# Altium PCB NURIP.PcbDoc (part 13 of 14)
Units mil, origin at the board's own origin, x right, y up, seen from the top; angles counter-clockwise.
Board outline 7096.64 x 6702.94 mil, 6 copper layers (L1, L2, L3, L4, L5, L6), stack 48.469 mil thick; 305 components, 426 nets, 2172 pads, 1040 vias.
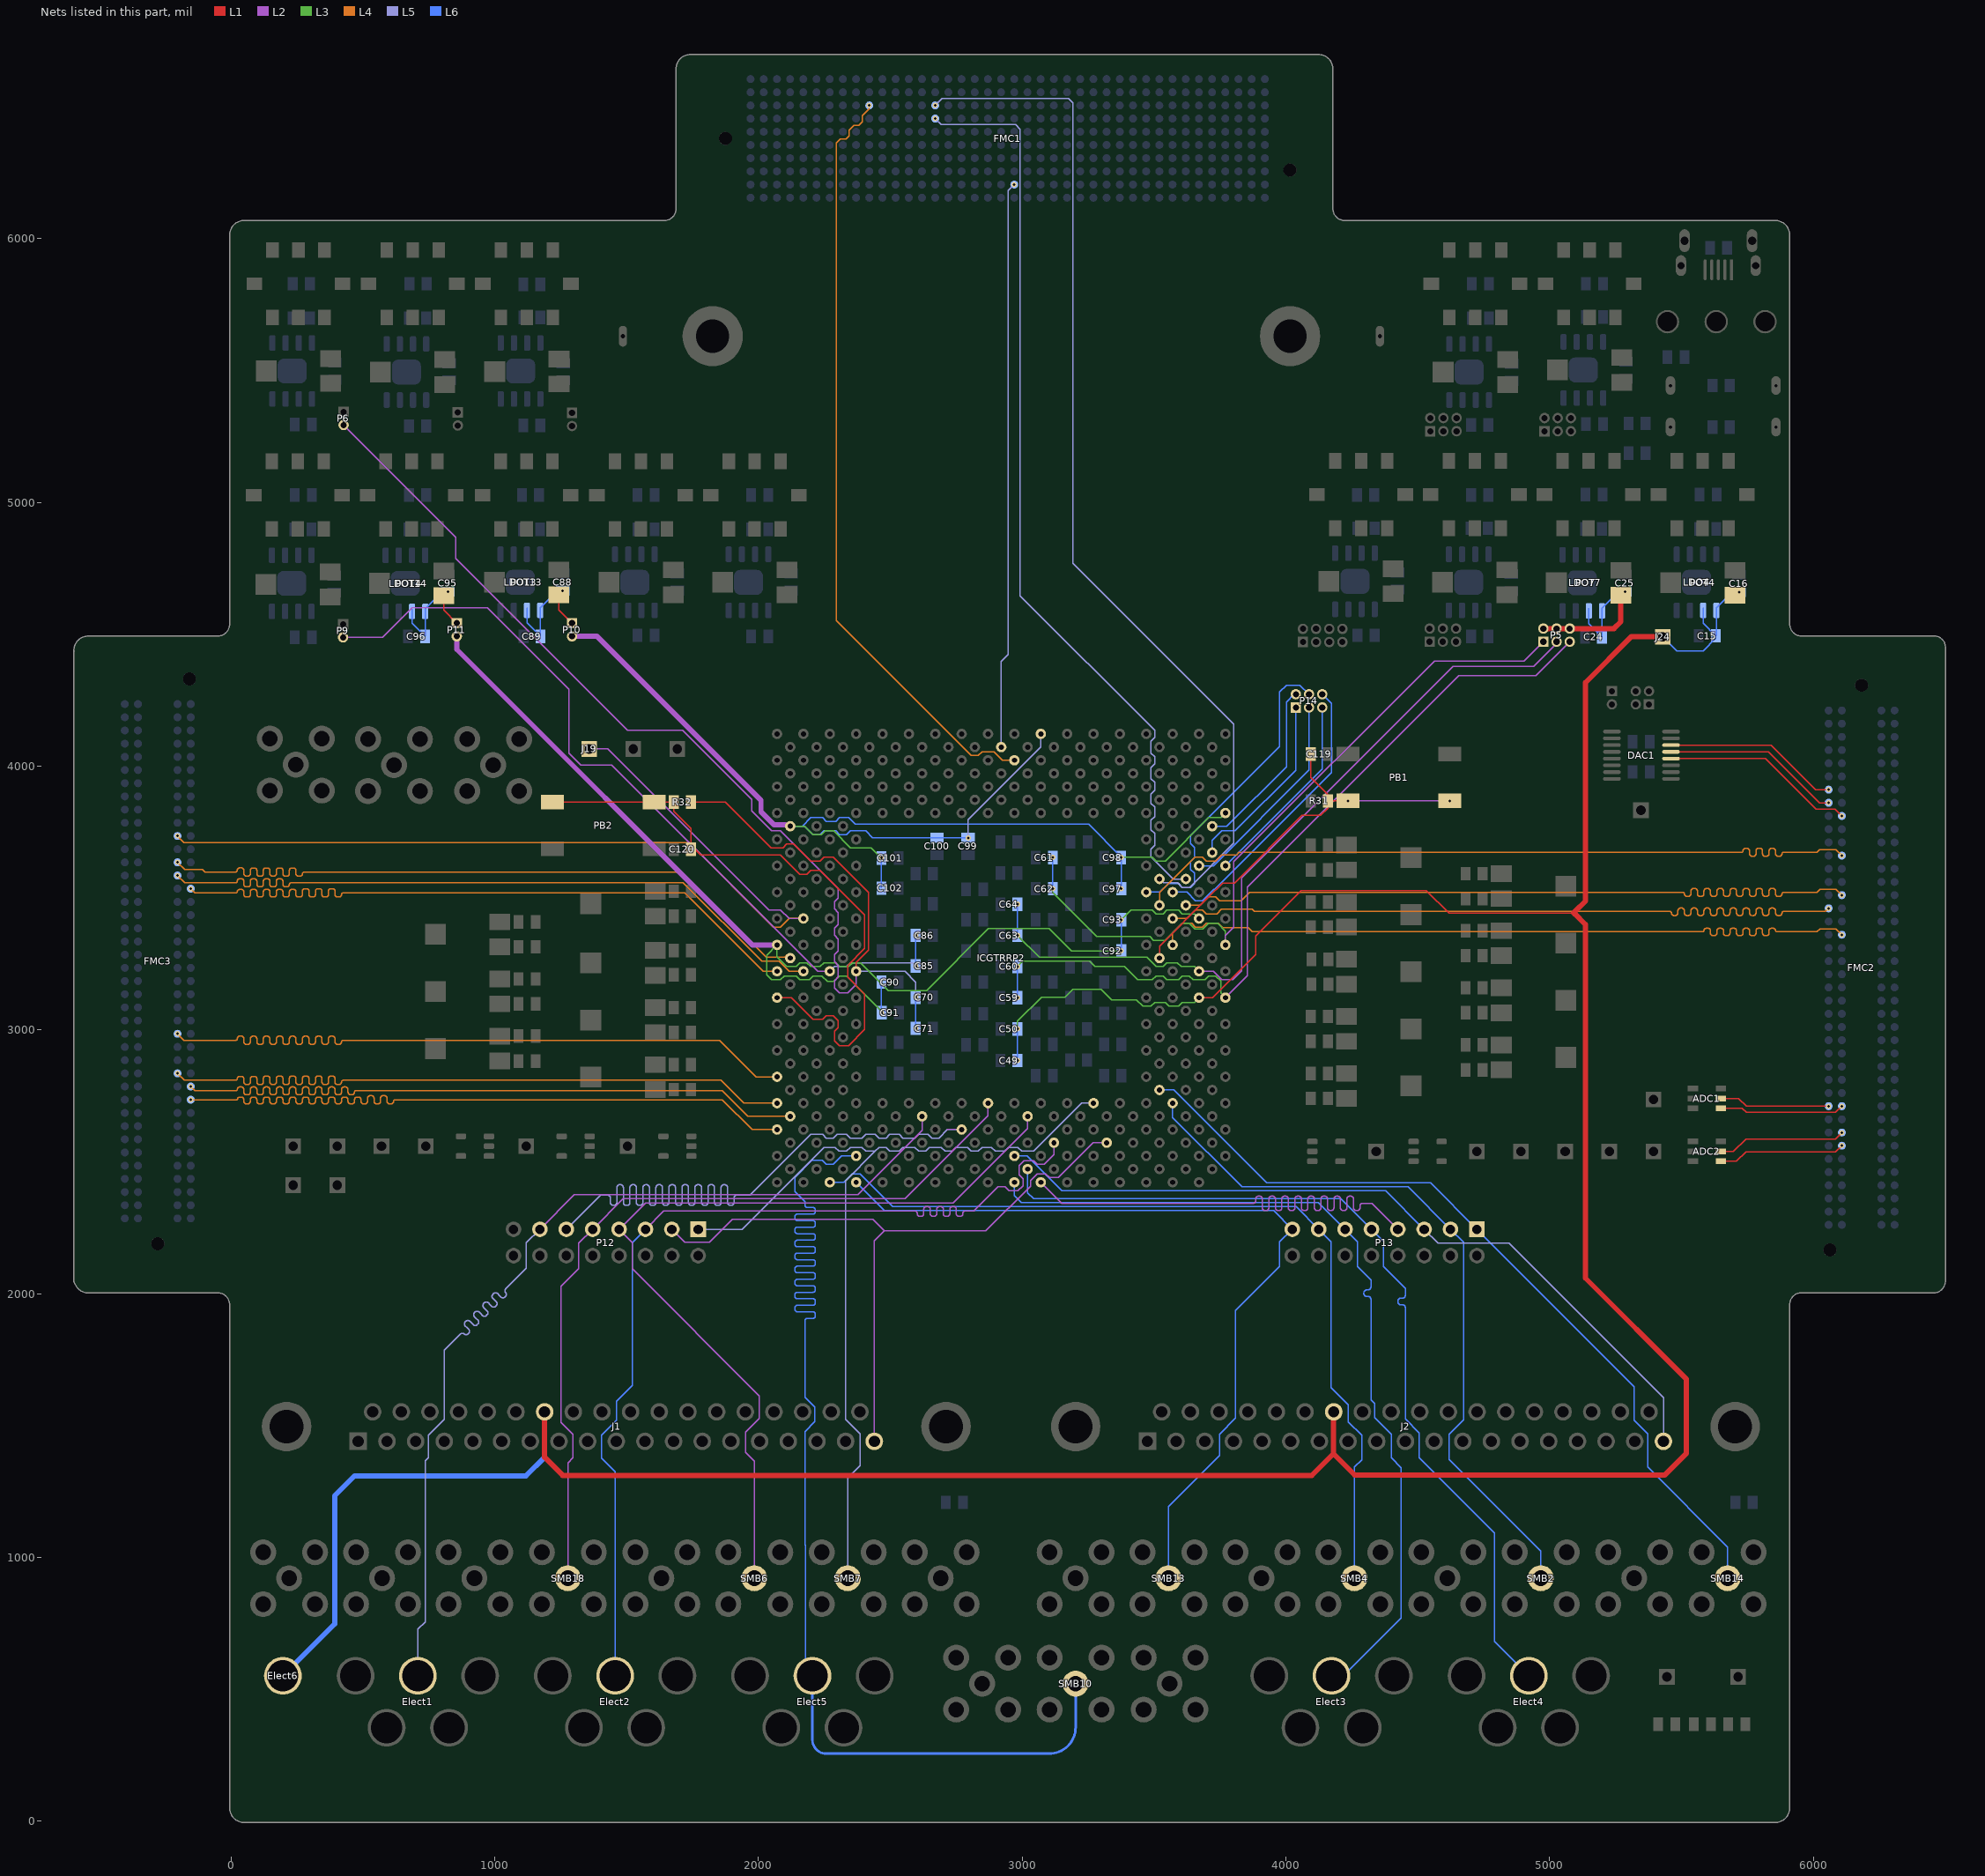
[diagram p17: the nets of this part, all layers, seen from the top]

## Via types
v1: diameter 20, hole 10, L1 to L6, tented both sides, 908 vias
v2: diameter 19.68, hole 7.87, L1 to L6, 126 vias
v3: diameter 196.85, hole 118.11, L1 to L6, 6 vias

## Nets (pads, with @x,y where several pads share a name; then routed paths per layer and width w, separated by ;. In a path a pad name is that pad's centre, name@x,y a point inside that pad or via, vN(x,y) a via of type N, cw(c..) or ccw(c..) an arc to the next point about the centre after c; other vN are vias at no path point) (continued)
REF1B: ICGTRRP2.A29 P13.15 SMB13.1 | length 3244.7
  L6 w5: ICGTRRP2.A29@2370.71,2422.2 2478.03,2314.88 3953.62,2314.88 P13.15@4024.41,2244.09 3976.38,2196.06 3976.38,2102.36 3809.65,1935.63 3809.65,1528.15 3748.03,1466.54 3748.03,1385.83 3555.12,1192.91 SMB13.1@3555.12,921.26
REF1C: Elect5.5 ICGTRRP2.C29 SMB10.1 | length 4896.5
  L6 w5: Elect5.5@2204.72,551.18 2178.44,577.46 2178.44,848.4 2179.13,849.09 2179.13,993.43 2178.44,994.12 2178.44,1045.25 2176.42,1047.27 2176.42,1421.07 2176.28,1421.21 2176.28,1477.46 2213.35,1514.53 2213.35,1532.9 2213.46,1533.02 2213.46,1570.93 2177.17,1607.23 2177.17,1797.24 2177.17,1897.96 cw(c2185.81,1897.96) 2185.81,1906.6 2207,1906.6 ccw(c2207,1915.24) 2215.64,1915.24 2215.64,1922.64 ccw(c2207,1922.64) 2207,1931.28 2177.17,1931.28 2147.33,1931.28 cw(c2147.33,1939.92) 2138.69,1939.92 2138.69,1947.33 cw(c2147.33,1947.33) 2147.33,1955.97 2177.17,1955.97 2207,1955.97 ccw(c2207,1964.61) 2215.64,1964.61 2215.64,1972.01 ccw(c2207,1972.01) 2207,1980.65 2177.17,1980.65 2147.33,1980.65 cw(c2147.33,1989.29) 2138.69,1989.29 2138.69,1996.7 cw(c2147.33,1996.7) 2147.33,2005.34 2177.17,2005.34 2207,2005.34 ccw(c2207,2013.97) 2215.64,2013.97 2215.64,2021.38 ccw(c2207,2021.38) 2207,2030.02 2177.17,2030.02 2147.33,2030.02 cw(c2147.33,2038.66) 2138.69,2038.66 2138.69,2046.07 cw(c2147.33,2046.07) 2147.33,2054.71 2177.17,2054.71 2207,2054.71 ccw(c2207,2063.34) 2215.64,2063.34 2215.64,2070.75 ccw(c2207,2070.75) 2207,2079.39 2177.17,2079.39 2147.33,2079.39 cw(c2147.33,2088.03) 2138.69,2088.03 2138.69,2095.44 cw(c2147.33,2095.44) 2147.33,2104.08 2177.17,2104.08 2207,2104.08 ccw(c2207,2112.72) 2215.64,2112.72 2215.64,2120.12 ccw(c2207,2120.12) 2207,2128.76 2177.17,2128.76 2147.33,2128.76 cw(c2147.33,2137.4) 2138.69,2137.4 2138.69,2144.81 cw(c2147.33,2144.81) 2147.33,2153.45 2177.17,2153.45 2207,2153.45 ccw(c2207,2162.09) 2215.64,2162.09 2215.64,2169.49 ccw(c2207,2169.49) 2207,2178.13 2177.17,2178.13 2147.33,2178.13 cw(c2147.33,2186.77) 2138.69,2186.77 2138.69,2194.18 cw(c2147.33,2194.18) 2147.33,2202.82 2177.17,2202.82 2207,2202.82 ccw(c2207,2211.45) 2215.64,2211.45 2215.64,2218.86 ccw(c2207,2218.86) 2207,2227.5 2177.17,2227.5 2147.33,2227.5 cw(c2147.33,2236.14) 2138.69,2236.14 2138.69,2243.55 cw(c2147.33,2243.55) 2147.33,2252.19 2177.17,2252.19 2207,2252.19 ccw(c2207,2260.82) 2215.64,2260.82 2215.64,2268.23 ccw(c2207,2268.23) 2207,2276.87 2177.17,2276.87 2147.33,2276.87 cw(c2147.33,2285.51) 2138.69,2285.51 2138.69,2292.92 cw(c2147.33,2292.92) 2147.33,2301.56 2177.17,2301.56 2207,2301.56 ccw(c2207,2310.2) 2215.64,2310.2 2215.64,2317.6 ccw(c2207,2317.6) 2207,2326.24 2185.81,2326.24 cw(c2185.81,2334.88) 2177.17,2334.88 2177.17,2338.58 2177.17,2348.43 2137.8,2387.8 2137.8,2440.94 2202.76,2505.91 2241.49,2505.91 2257.38,2490.02 2284.04,2490.02 2316.23,2522.2 ICGTRRP2.C29@2370.71,2522.2
  L6 w10: Elect5.5@2204.72,551.18 2204.72,309.06 ccw(c2257.87,309.06) 2257.87,255.91 3102.76,255.91 ccw(c3102.76,355.91) 3138.49,262.51 ccw(c3102.76,355.91) 3196.15,320.17 ccw(c3102.76,355.91) 3202.76,355.91 SMB10.1@3202.76,521.65
REF2A: ICGTRRP2.G11 P12.1 SMB7.1 | length 3500
  L5 w5: P12.1@1771.65,2244.09 1938.12,2244.09 2248.41,2554.39 2290.67,2554.39 2305.04,2540.02 2334.04,2540.02 2348.41,2554.39 2393.01,2554.39 2407.38,2540.02 2443.01,2540.02 ; SMB7.1@2338.58,921.26 2338.58,1301.18 2385.83,1348.43 2385.83,1468.5 2330.71,1523.62 2330.71,2427.72 2443.01,2540.02 ; ICGTRRP2.G11@3270.71,2722.2 3225.19,2722.2 3043.01,2540.02 2998.41,2540.02 2984.04,2554.39 2948.41,2554.39 2934.04,2540.02 2898.41,2540.02 2884.04,2554.39 2848.41,2554.39 2834.04,2540.02 2807.38,2540.02 2793.01,2554.39 2748.41,2554.39 2734.04,2540.02 2707.38,2540.02 2693.01,2554.39 2648.41,2554.39 2634.04,2540.02 2607.38,2540.02 2593.01,2554.39 2548.41,2554.39 2534.04,2540.02 2498.41,2540.02 2484.04,2554.39 2457.38,2554.39 2443.01,2540.02
REF2B: Elect3.5 ICGTRRP2.A17 P13.11 | length 3307.7
  L6 w5: ICGTRRP2.A17@2970.71,2422.2 2970.71,2371.81 2997.64,2344.88 4123.62,2344.88 P13.11@4224.41,2244.09 4271.65,2196.85 4271.65,2102.36 4322.83,2051.18 4322.83,2038.84 4322.83,2026.5 cw(c4310.49,2026.5) 4310.49,2014.15 4307.62,2014.15 ccw(c4307.62,2001.81) 4295.28,2001.81 ccw(c4307.62,2001.81) 4307.62,1989.47 4310.49,1989.47 cw(c4310.49,1977.13) 4322.83,1977.13 4322.83,1952.76 4322.83,1597.23 4335.98,1584.08 4335.98,1530.16 4399.61,1466.54 4399.61,1377.95 4437.01,1340.55 4437.01,769.68 4218.5,551.18 Elect3.5@4173.23,551.18
REF3A: Elect1.5 ICGTRRP2.F24 P12.13 | length 3812
  L2 w5: P12.13@1171.65,2244.09 1302.28,2374.72 2376.69,2374.72 2620.71,2618.74 ICGTRRP2.F24@2620.71,2672.2
  L5 w5: Elect1.5@708.66,551.18 708.66,728.35 736.22,755.91 736.22,1366.08 748.09,1377.95 748.09,1462.66 809.06,1523.62 809.06,1785.43 851.38,1827.76 870.55,1846.93 cw(c877.49,1839.99) 884.42,1846.93 ccw(c891.4,1853.91) 898.39,1846.93 901.88,1850.42 ccw(c894.9,1857.4) 901.88,1864.38 894.94,1871.32 888,1878.26 cw(c894.98,1885.24) 888,1892.22 891.49,1895.71 cw(c898.48,1888.73) 905.46,1895.71 912.39,1888.77 919.33,1881.84 ccw(c926.31,1888.82) 933.3,1881.84 936.79,1885.33 ccw(c929.81,1892.31) 936.79,1899.29 929.85,1906.23 922.91,1913.17 cw(c929.89,1920.15) 922.91,1927.13 926.4,1930.62 cw(c933.39,1923.64) 940.37,1930.62 947.3,1923.68 954.24,1916.75 ccw(c961.22,1923.73) 968.21,1916.75 971.7,1920.24 ccw(c964.72,1927.22) 971.7,1934.2 964.76,1941.14 957.82,1948.08 cw(c964.8,1955.06) 957.82,1962.04 961.31,1965.53 cw(c968.3,1958.55) 975.28,1965.53 982.21,1958.59 989.15,1951.66 ccw(c996.13,1958.64) 1003.12,1951.66 1006.61,1955.15 ccw(c999.63,1962.13) 1006.61,1969.11 999.67,1976.05 992.73,1982.99 cw(c999.71,1989.97) 992.73,1996.95 996.22,2000.44 cw(c1003.21,1993.46) 1010.19,2000.44 1017.12,1993.5 1024.06,1986.57 ccw(c1031.04,1993.55) 1038.03,1986.57 1041.52,1990.06 ccw(c1034.53,1997.04) 1041.52,2004.02 cw(c1048.45,2010.96) 1041.52,2017.89 1043.31,2019.68 1120.08,2096.46 1120.08,2192.52 P12.13@1171.65,2244.09
REF3B: ICGTRRP2.A31 P13.13 SMB4.1 | length 3356.2
  L6 w5: ICGTRRP2.A31@2270.71,2422.2 2323.86,2422.2 2356.04,2454.39 2385.33,2454.39 2509.84,2329.88 4038.62,2329.88 P13.13@4124.41,2244.09 4171.26,2197.24 4171.26,1643.7 4236.22,1578.74 4236.22,1513.78 4287.4,1462.6 4287.4,1370.08 4259.76,1342.44 SMB4.1@4259.76,921.02
REF4A: ICGTRRP2.D10 J1.19 P12.3 | length 2700
  L2 w5: P12.3@1671.65,2244.09 1720.87,2194.88 1814.96,2194.88 1901.81,2281.73 2434.8,2281.73 2478.35,2238.19 ; J1.19@2439.45,1440.16 2439.45,2199.29 2478.35,2238.19 ; ICGTRRP2.D10@3320.71,2572.2 3269.06,2572.2 3136.87,2440.02 3103.29,2440.02 3088.92,2454.39 3057.38,2454.39 3031.5,2428.51 3031.5,2407.72 2861.97,2238.19 2478.35,2238.19
REF4B: ICGTRRP2.C17 J2.19 P13.5 | length 3006.1
  L5 w5: P13.5@4524.41,2244.09 4577.56,2190.94 4846.46,2190.94 5431.57,1605.83 J2.19@5431.57,1440.16
  L6 w5: ICGTRRP2.C17@2970.71,2522.2 3019.13,2522.2 3151.46,2389.88 4378.62,2389.88 P13.5@4524.41,2244.09
REF5A: ICGTRRP2.E21 P12.11 | length 3074.1
  L2 w5: 2716.23,2622.2 ICGTRRP2.E21@2770.71,2622.2
  L5 w5: P12.11@1271.65,2244.09 1401.57,2374.02 1413.92,2374.02 1427.49,2374.02 cw(c1427.49,2362.91) 1438.6,2362.91 1438.6,2345.79 ccw(c1449.71,2345.79) 1449.71,2334.68 1452.18,2334.68 ccw(c1452.18,2345.79) 1463.29,2345.79 1463.29,2374.02 1463.29,2402.25 cw(c1474.4,2402.25) 1474.4,2413.35 1476.86,2413.35 cw(c1476.86,2402.25) 1487.97,2402.25 1487.97,2374.02 1487.97,2345.79 ccw(c1499.08,2345.79) 1499.08,2334.68 1501.55,2334.68 ccw(c1501.55,2345.79) 1512.66,2345.79 1512.66,2374.02 1512.66,2402.25 cw(c1523.77,2402.25) 1523.77,2413.35 1526.23,2413.35 cw(c1526.23,2402.25) 1537.34,2402.25 1537.34,2374.02 1537.34,2345.79 ccw(c1548.45,2345.79) 1548.45,2334.68 1550.92,2334.68 ccw(c1550.92,2345.79) 1562.03,2345.79 1562.03,2374.02 1562.03,2402.25 cw(c1573.14,2402.25) 1573.14,2413.35 1575.6,2413.35 cw(c1575.6,2402.25) 1586.71,2402.25 1586.71,2374.02 1586.71,2345.79 ccw(c1597.82,2345.79) 1597.82,2334.68 1600.29,2334.68 ccw(c1600.29,2345.79) 1611.4,2345.79 1611.4,2374.02 1611.4,2402.25 cw(c1622.51,2402.25) 1622.51,2413.35 1624.97,2413.35 cw(c1624.97,2402.25) 1636.08,2402.25 1636.08,2374.02 1636.08,2345.79 ccw(c1647.19,2345.79) 1647.19,2334.68 1649.66,2334.68 ccw(c1649.66,2345.79) 1660.77,2345.79 1660.77,2374.02 1660.77,2402.25 cw(c1671.88,2402.25) 1671.88,2413.35 1674.34,2413.35 cw(c1674.34,2402.25) 1685.45,2402.25 1685.45,2374.02 1685.45,2345.79 ccw(c1696.56,2345.79) 1696.56,2334.68 1699.03,2334.68 ccw(c1699.03,2345.79) 1710.14,2345.79 1710.14,2374.02 1710.14,2402.25 cw(c1721.25,2402.25) 1721.25,2413.35 1723.71,2413.35 cw(c1723.71,2402.25) 1734.82,2402.25 1734.82,2374.02 1734.82,2345.79 ccw(c1745.93,2345.79) 1745.93,2334.68 1748.4,2334.68 ccw(c1748.4,2345.79) 1759.51,2345.79 1759.51,2374.02 1759.51,2402.25 cw(c1770.62,2402.25) 1770.62,2413.35 1773.08,2413.35 cw(c1773.08,2402.25) 1784.19,2402.25 1784.19,2374.02 1784.19,2345.79 ccw(c1795.3,2345.79) 1795.3,2334.68 1797.77,2334.68 ccw(c1797.77,2345.79) 1808.88,2345.79 1808.88,2374.02 1808.88,2402.25 cw(c1819.99,2402.25) 1819.99,2413.35 1822.45,2413.35 cw(c1822.45,2402.25) 1833.56,2402.25 1833.56,2374.02 1833.56,2345.79 ccw(c1844.67,2345.79) 1844.67,2334.68 1847.14,2334.68 ccw(c1847.14,2345.79) 1858.25,2345.79 1858.25,2374.02 1858.25,2402.25 cw(c1869.36,2402.25) 1869.36,2413.35 1871.82,2413.35 cw(c1871.82,2402.25) 1882.93,2402.25 1882.93,2374.02 1882.93,2345.79 ccw(c1894.04,2345.79) 1894.04,2334.68 1896.51,2334.68 ccw(c1896.51,2345.79) 1907.62,2345.79 1907.62,2362.91 cw(c1918.73,2362.91) 1918.73,2374.02 1968.5,2374.02 2152.89,2558.41 2152.89,2558.87 2198.41,2604.39 2243.01,2604.39 2257.38,2590.02 2284.04,2590.02 2298.41,2604.39 2334.04,2604.39 2348.41,2590.02 2393.01,2590.02 2407.38,2604.39 2443.01,2604.39 2457.38,2590.02 2484.04,2590.02 2498.41,2604.39 2534.04,2604.39 2548.41,2590.02 2593.01,2590.02 2607.38,2604.39 2643.01,2604.39 2657.38,2590.02 2684.04,2590.02 2716.23,2622.2 ICGTRRP2.E21@2770.71,2622.2
REF5B: Elect4.5 ICGTRRP2.B16 P13.9 | length 3428.8
  L6 w5: ICGTRRP2.B16@3020.71,2472.2 3020.71,2382.83 3043.66,2359.88 4208.62,2359.88 P13.9@4324.41,2244.09 4370.08,2198.43 4370.08,2102.36 4452.76,2019.69 4452.76,2007.34 4452.76,1992.53 cw(c4442.88,1992.53) 4442.88,1982.66 4435.07,1982.66 ccw(c4435.07,1972.78) 4425.2,1972.78 4425.2,1967.85 ccw(c4435.07,1967.85) 4435.07,1957.97 4442.88,1957.97 cw(c4442.88,1948.1) 4452.76,1948.1 4452.76,1858.27 4452.76,1525.59 4505.91,1472.44 4505.91,1377.95 4791.34,1092.52 4791.34,681.1 Elect4.5@4921.26,551.18
REF6A: Elect2.5 ICGTRRP2.D14 P12.5 | length 3780.6
  L2 w5: P12.5@1571.65,2244.09 1640.79,2313.23 2503.94,2313.23 2593.62,2313.23 cw(c2593.62,2304.59) 2602.26,2304.59 2602.26,2302.18 ccw(c2610.9,2302.18) 2610.9,2293.54 2618.31,2293.54 ccw(c2618.31,2302.18) 2626.95,2302.18 2626.95,2313.23 2626.95,2320.85 cw(c2635.59,2320.85) 2635.59,2329.49 2642.99,2329.49 cw(c2642.99,2320.85) 2651.63,2320.85 2651.63,2313.23 2651.63,2302.18 ccw(c2660.27,2302.18) 2660.27,2293.54 2667.68,2293.54 ccw(c2667.68,2302.18) 2676.32,2302.18 2676.32,2313.23 2676.32,2320.85 cw(c2684.96,2320.85) 2684.96,2329.49 2692.36,2329.49 cw(c2692.36,2320.85) 2701,2320.85 2701,2313.23 2701,2302.18 ccw(c2709.64,2302.18) 2709.64,2293.54 2717.05,2293.54 ccw(c2717.05,2302.18) 2725.69,2302.18 2725.69,2313.23 2725.69,2320.85 cw(c2734.33,2320.85) 2734.33,2329.49 2741.73,2329.49 cw(c2741.73,2320.85) 2750.37,2320.85 2750.37,2313.23 2750.37,2302.18 ccw(c2759.01,2302.18) 2759.01,2293.54 2766.42,2293.54 ccw(c2766.42,2302.18) 2775.06,2302.18 2775.06,2304.59 cw(c2783.7,2304.59) 2783.7,2313.23 2787.4,2313.23 2816.22,2313.23 2908.97,2405.99 2934.56,2405.99 2950.53,2390.02 2984.04,2390.02 3002.89,2408.87 3002.89,2435.54 2988.52,2449.91 2988.52,2485.54 3007.38,2504.39 3043.01,2504.39 3057.38,2490.02 3084.04,2490.02 3120.71,2526.69 ICGTRRP2.D14@3120.71,2572.2
  L6 w5: Elect2.5@1456.69,551.18 1456.69,1324.8 1405.51,1375.98 1405.51,1462.6 1462.6,1519.68 1462.6,1592.52 1521.65,1651.57 1521.65,2194.09 P12.5@1571.65,2244.09
REF6B: ICGTRRP2.G5 P13.3 SMB2.1 | length 2793.9
  L6 w5: ICGTRRP2.G5@3570.71,2722.2 3570.71,2667.72 3833.55,2404.88 4463.62,2404.88 P13.3@4624.41,2244.09 4673.23,2195.28 4673.23,1521.65 4618.11,1466.54 4618.11,1372.05 4966.54,1023.62 SMB2.1@4966.54,921.26
REF7A: ICGTRRP2.G19 P12.9 SMB18.1 | length 3124.4
  L2 w5: SMB18.1@1277.56,921.26 1277.56,1358.27 1297.24,1377.95 1297.24,1466.54 1252.32,1511.46 1252.32,2027.91 1318.9,2094.49 1318.9,2191.34 P12.9@1371.65,2244.09 1487.28,2359.72 2556.57,2359.72 2870.71,2673.86 ICGTRRP2.G19@2870.71,2722.2
REF7B: ICGTRRP2.A15 P13.7 | length 2148.5
  L2 w5: ICGTRRP2.A15@3070.71,2422.2 3150.39,2342.52 3665.35,2342.52 3876.13,2342.52 ccw(c3876.13,2352.39) 3886,2352.39 3886,2359.68 cw(c3895.88,2359.68) 3895.88,2369.55 3900.82,2369.55 cw(c3900.82,2359.68) 3910.69,2359.68 3910.69,2342.52 3910.69,2325.36 ccw(c3920.56,2325.36) 3920.56,2315.49 3925.5,2315.49 ccw(c3925.5,2325.36) 3935.37,2325.36 3935.37,2342.52 3935.37,2359.68 cw(c3945.25,2359.68) 3945.25,2369.55 3950.19,2369.55 cw(c3950.19,2359.68) 3960.06,2359.68 3960.06,2342.52 3960.06,2325.36 ccw(c3969.93,2325.36) 3969.93,2315.49 3974.87,2315.49 ccw(c3974.87,2325.36) 3984.74,2325.36 3984.74,2342.52 3984.74,2359.68 cw(c3994.62,2359.68) 3994.62,2369.55 3999.56,2369.55 cw(c3999.56,2359.68) 4009.43,2359.68 4009.43,2342.52 4009.43,2325.36 ccw(c4019.3,2325.36) 4019.3,2315.49 4024.24,2315.49 ccw(c4024.24,2325.36) 4034.11,2325.36 4034.11,2342.52 4034.11,2359.68 cw(c4043.99,2359.68) 4043.99,2369.55 4048.93,2369.55 cw(c4048.93,2359.68) 4058.8,2359.68 4058.8,2342.52 4058.8,2325.36 ccw(c4068.67,2325.36) 4068.67,2315.49 4073.61,2315.49 ccw(c4073.61,2325.36) 4083.48,2325.36 4083.48,2342.52 4083.48,2359.68 cw(c4093.36,2359.68) 4093.36,2369.55 4098.3,2369.55 cw(c4098.3,2359.68) 4108.17,2359.68 4108.17,2342.52 4108.17,2325.36 ccw(c4118.04,2325.36) 4118.04,2315.49 4122.98,2315.49 ccw(c4122.98,2325.36) 4132.85,2325.36 4132.85,2342.52 4132.85,2359.68 cw(c4142.73,2359.68) 4142.73,2369.55 4147.67,2369.55 cw(c4147.67,2359.68) 4157.54,2359.68 4157.54,2342.52 4157.54,2325.36 ccw(c4167.41,2325.36) 4167.41,2315.49 4172.35,2315.49 ccw(c4172.35,2325.36) 4182.22,2325.36 4182.22,2342.52 4182.22,2359.68 cw(c4192.1,2359.68) 4192.1,2369.55 4197.04,2369.55 cw(c4197.04,2359.68) 4206.91,2359.68 4206.91,2342.52 4206.91,2325.36 ccw(c4216.78,2325.36) 4216.78,2315.49 4221.72,2315.49 ccw(c4221.72,2325.36) 4231.59,2325.36 4231.59,2342.52 4231.59,2359.68 cw(c4241.47,2359.68) 4241.47,2369.55 4246.41,2369.55 cw(c4246.41,2359.68) 4256.28,2359.68 4256.28,2342.52 4256.28,2325.36 ccw(c4266.15,2325.36) 4266.15,2315.49 4271.09,2315.49 ccw(c4271.09,2325.36) 4280.96,2325.36 4280.96,2332.65 cw(c4290.84,2332.65) 4290.84,2342.52 4293.31,2342.52 4325.98,2342.52 P13.7@4424.41,2244.09
REF8A: ICGTRRP2.F16 P12.7 SMB6.1 | length 3332.2
  L2 w5: SMB6.1@1984.25,921.26 1984.25,1364.17 1950.79,1397.64 1950.79,1474.41 2003.94,1527.56 2003.94,1612.2 1521.65,2094.49 1521.65,2194.09 P12.7@1471.65,2244.09 1572.05,2344.49 2738.51,2344.49 3020.71,2626.69 ICGTRRP2.F16@3020.71,2672.2
REF8B: ICGTRRP2.H6 P13.1 SMB14.1 | length 3139.1
  L6 w5: ICGTRRP2.H6@3520.71,2772.2 3574.25,2772.2 3926.57,2419.88 4548.62,2419.88 P13.1@4724.41,2244.09 5320.87,1647.64 5320.87,1519.68 5372.05,1468.5 5372.05,1342.52 5675.2,1039.37 SMB14.1@5675.2,921.26
REF_DC: C15.1 C16.1 C49.1 C50.1 Elect6.1 ICGTRRP2.R3 J1.26 J2.26 J24.1 LDO4.1 LDO4.2 POT4.3 | length 13278.1
  L1 w5: ICGTRRP2.R3@3670.71,3122.2 3722.6,3122.2 3885.83,3285.43 3885.83,3356.3 4057.78,3528.25 4532.78,3528.25 4618.11,3442.91 5090.55,3442.91
  L1 w20: J1.26@1189.39,1551.97 1189.39,1379.51 1257.87,1311.02 4098.43,1311.02 4180.43,1393.03 ; J2.26@4181.52,1551.97 4170.74,1541.2 4180.43,1531.51 4180.43,1393.03 ; 5090.55,3442.91 5096.46,3448.82 ; J24.1@5429.13,4490.16 5309.06,4490.16 5135.83,4316.93 5135.83,3488.19 5096.46,3448.82 ; 4180.43,1393.03 4260.47,1312.99 5437.01,1312.99 5517.72,1393.7 5517.72,1677.17 5135.83,2059.06 5135.83,3399.61 5096.46,3438.98 5096.46,3448.82
  L3 w5: v1(2982.28,3003.94) 2982.28,3033.46 3073.21,3124.39 3162.88,3124.39 3192.88,3154.39 3299.21,3154.39 3339.43,3114.17 3433.22,3114.17 3457.38,3090.02 3488.52,3090.02 3502.89,3104.39 3543.01,3104.39 3557.38,3090.02 3593.01,3090.02 3607.38,3104.39 3652.89,3104.39 ICGTRRP2.R3@3670.71,3122.2
  L6 w5: v1(2982.28,2883.86) v1(2982.28,3003.94) ; J24.1@5429.13,4490.16 5482.28,4437.01 5582.68,4437.01 5629.92,4484.25 C15.1@5629.92,4494.09 ; LDO4.2@5582.28,4600.39 5582.28,4541.73 C15.1@5629.92,4494.09 ; v1(5718.5,4659.45) 5691.34,4659.45 5632.28,4600.39 5632.28,4496.46 C15.1@5629.92,4494.09
  L6 w20: Elect6.1@196.85,551.18 393.7,748.03 393.7,1234.25 468.5,1309.06 1118.11,1309.06 1189.39,1380.33 J1.26@1189.39,1551.97
RST: FMC1.C10 ICGTRRP2.AN17 | length 2935
  L4 w5: v1(2420.24,6504.92) 2420.24,6493.07 2393.7,6466.54 2393.7,6442.91 2379.92,6429.13 2362.2,6429.13 2344.49,6411.42 2344.49,6389.76 2332.68,6377.95 2311.02,6377.95 2295.28,6362.2 2295.28,4551.18 2806.44,4040.02 2834.04,4040.02 2848.41,4054.39 2893.01,4054.39 2925.19,4022.2 ICGTRRP2.AN17@2970.71,4022.2
S\Y\N\C\: DAC1.13 FMC2.H8 | length 677.5
  L1 w5: DAC1.13@5460.63,4054.13 5829.72,4054.13 6022.99,3860.87 v1(6058.07,3860.87)
SAT0: FMC3.G30 ICGTRRP2.AA33 J19.1 | length 3608.3
  L2 w5: J19.1@1358.27,4064.96 1429.13,4064.96 2039.7,3454.39 2084.04,3454.39 2116.23,3422.2 ICGTRRP2.AA33@2170.71,3422.2
  L4 w5: v1(-202.56,3735.2) -177.99,3710.63 1736.77,3710.63 2057.38,3390.02 2084.04,3390.02 2116.23,3422.2 ICGTRRP2.AA33@2170.71,3422.2
SCLK: DAC1.14 FMC2.H7 | length 667.4
  L1 w5: DAC1.14@5460.63,4079.72 5839.21,4079.72 6008.07,3910.87 v1(6058.07,3910.87)
SCLK1: ADC1.4 FMC2.G31 | length 472.9
  L1 w5: ADC1.4@5651.57,2702.76 5730.32,2702.76 5746.06,2687.01 6084.21,2687.01 v1(6108.07,2710.87)
SCLK2: ADC2.4 FMC2.G34 | length 480.9
  L1 w5: ADC2.4@5651.57,2501.97 5708.66,2501.97 5744.09,2537.4 6084.61,2537.4 v1(6108.07,2560.87)
SDI: DAC1.12 FMC2.G9 | length 737.6
  L1 w5: DAC1.12@5460.63,4028.54 5817.91,4028.54 6009.84,3836.61 6082.32,3836.61 v1(6108.07,3810.87)
SDO1: ADC1.5 FMC2.H31 | length 418.6
  L1 w5: ADC1.5@5651.57,2740.16 5716.77,2740.16 5746.06,2710.87 v1(6058.07,2710.87)
SDO2: ADC2.5 FMC2.G33 | length 486.1
  L1 w5: ADC2.5@5651.57,2539.37 5696.85,2539.37 5744.09,2586.61 6083.82,2586.61 v1(6108.07,2610.87)
SET_COUNTER_1: C119.1 ICGTRRP2.V6 PB1.2 R31.1 | length 1595.2
  L1 w5: ICGTRRP2.V6@3520.71,3272.2 3520.71,3317.95 3707.15,3504.39 3707.38,3504.39 3760.07,3557.09 3805.12,3557.09 4061.02,3812.99 4131.89,3812.99 4159.45,3840.55 R31.1@4159.45,3868.11 ; C119.1@4094.49,4045.28 4094.49,3956.69 4159.45,3891.73 R31.1@4159.45,3868.11 ; v1(4236.22,3868.11) R31.1@4159.45,3868.11
  L2 w5: v1(4236.22,3868.11) v1(4622.05,3868.11)
SET_COUNTER_2: C120.1 ICGTRRP2.R35 PB2.2 R32.1 | length 2438.4
  L1 w5: PB2.2@1218.5,3864.17 PB2.2@1604.33,3864.17 R32.1@1679.13,3864.17 1679.13,3828.74 1744.09,3763.78 C120.1@1744.09,3685.04 1759.84,3685.04 1781.5,3663.39 2084.01,3663.39 2157.38,3590.02 2184.04,3590.02 2198.41,3604.39 2234.04,3604.39 2402.89,3435.54 2402.89,3308.87 2338.52,3244.5 2338.52,3199.91 2402.89,3135.54 2402.89,3001.32 2341.59,2940.02 2307.38,2940.02 2288.52,2958.87 2288.52,2994.5 2302.89,3008.87 2302.89,3035.54 2284.04,3054.39 2257.38,3054.39 2243.01,3040.02 2207.38,3040.02 2125.19,3122.2 ICGTRRP2.R35@2070.71,3122.2
SH1_WR0: FMC2.H16 ICGTRRP2.AA5 | length 2853
  L4 w5: ICGTRRP2.AA5@3570.71,3422.2 3625.19,3422.2 3657.38,3454.39 3684.04,3454.39 3698.41,3440.02 3738.52,3440.02 3755.71,3457.2 3871.54,3457.2 3879.92,3448.82 5457.07,3448.82 cw(c5457.07,3444.18) 5461.71,3444.21 ccw(c5472.82,3444.22) 5472.82,3433.11 5475.29,3433.11 ccw(c5475.29,3444.22) 5486.4,3444.22 5486.4,3451.08 cw(c5497.51,3451.08) 5497.51,3462.19 5499.98,3462.19 cw(c5499.98,3451.08) 5511.08,3451.08 5511.08,3444.22 ccw(c5522.19,3444.22) 5522.19,3433.11 5524.66,3433.11 ccw(c5524.66,3444.22) 5535.77,3444.22 5535.77,3451.08 cw(c5546.88,3451.08) 5546.88,3462.19 5549.35,3462.19 cw(c5549.35,3451.08) 5560.45,3451.08 5560.45,3444.22 ccw(c5571.56,3444.22) 5571.56,3433.11 5574.03,3433.11 ccw(c5574.03,3444.22) 5585.14,3444.22 5585.14,3451.08 cw(c5596.25,3451.08) 5596.25,3462.19 5598.72,3462.19 cw(c5598.72,3451.08) 5609.82,3451.08 5609.82,3444.22 ccw(c5620.93,3444.22) 5620.93,3433.11 5623.4,3433.11 ccw(c5623.4,3444.22) 5634.51,3444.22 5634.51,3451.08 cw(c5645.62,3451.08) 5645.62,3462.19 5648.09,3462.19 cw(c5648.09,3451.08) 5659.19,3451.08 5659.19,3444.22 ccw(c5670.3,3444.22) 5670.3,3433.11 5672.77,3433.11 ccw(c5672.77,3444.22) 5683.88,3444.22 5683.88,3451.08 cw(c5694.99,3451.08) 5694.99,3462.19 5697.46,3462.19 cw(c5697.46,3451.08) 5708.56,3451.08 5708.56,3444.22 ccw(c5719.67,3444.22) 5719.67,3433.11 5722.14,3433.11 ccw(c5722.14,3444.22) 5733.25,3444.22 5733.25,3451.08 cw(c5744.36,3451.08) 5744.36,3462.19 5746.83,3462.19 cw(c5746.83,3451.08) 5757.93,3451.08 5757.93,3444.22 ccw(c5769.04,3444.22) 5769.04,3433.11 5771.51,3433.11 ccw(c5771.51,3444.22) 5782.62,3444.22 5782.62,3451.08 cw(c5793.73,3451.08) 5793.73,3462.19 5796.2,3462.19 cw(c5796.2,3451.08) 5807.3,3451.08 5807.3,3444.22 ccw(c5818.41,3444.22) 5818.41,3433.11 5820.88,3433.11 ccw(c5820.88,3444.22) 5831.99,3444.22 5831.99,3451.08 cw(c5843.1,3451.08) 5843.1,3462.19 5845.57,3462.19 cw(c5845.57,3451.08) 5856.67,3451.08 5856.67,3444.18 ccw(c5867.78,3444.18) 5867.78,3433.07 5870.25,3433.07 ccw(c5870.25,3444.18) 5881.36,3444.18 cw(c5886,3444.18) 5886,3448.82 6046.02,3448.82 v1(6058.07,3460.87)